# Altium PCB BLDC-2020_LOCAL_2544.PcbDoc (part 2 of 2) (continued)
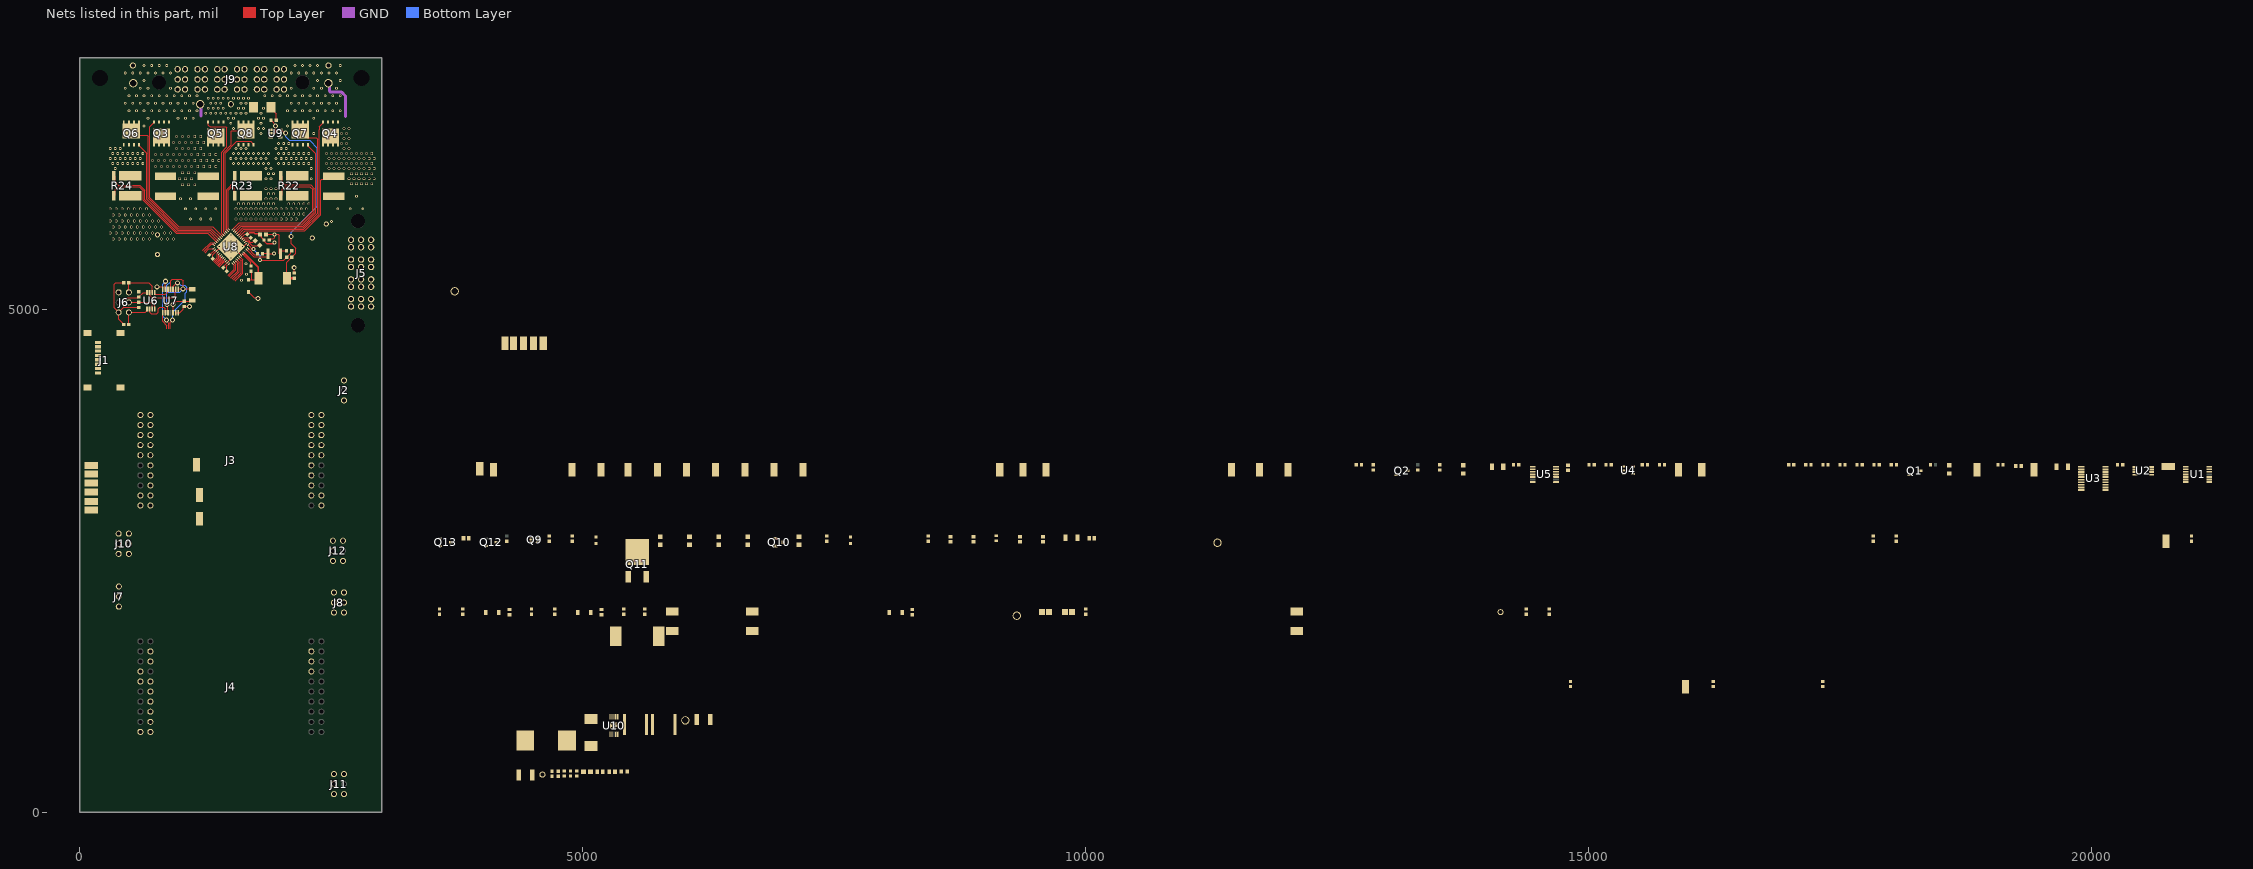
[diagram p4: the nets of this part, all layers, seen from the top]
## Part data (continued)
U8: "IC 3PHASE GATE DRIVER 48VQFN", Manufacturer="Texas Instruments", Max Operating Temperature=125°C, Min Operating Temperature=-40°C, ComponentLink1Description=http://www.ti.com/lit/ds/symlink/drv8323r.pdf?src-supplier=Digi-Key, ComponentLink1URL=http://www.ti.com/lit/ds/symlink/drv8323r.pdf?src-supplier=Digi-Key, Manufacturer 2="Texas Instruments", Manufacturer Part Number=DRV8323RSRGZR, Manufacturer Part Number 2=DRV8323RSRGZR, Pricing 1="1=4.44, 10=3.991, 100=3.2698, 500=2.78356, 1000=2.34758 (USD)", Pricing 2="1=4.44000, 10=3.99100, 100=3.26980, 500=2.78356, 1000=2.34758 (USD)", RoHS=No, Stock 1=5951, Stock 2=7391, Supplier 1=Digi-Key, Supplier 2=Digi-Key
U9: library part CMP-0192-00172-1, "Thermal Sensor with SPI Interface, 5-Pin SOT-23, -55°C to +125°C Temperature, Tape and Reel", Code_IPC=SOT23-5, DatasheetVersion="revA, Aug-2002", PackageDescription="5-Lead Plastic Small Outline Transistor (CT) [SOT-23]", PackageReference=SOT-23-CT5, PackageVersion="revBB, Aug-2009"
U10: library part CMP-0323-00512-3, "Buck Inverting Buck-Boost Step Down Regulator with 3.5 to 60 V Input and 0.8 to 58 V Output, -40 to 150 degC, 10-Pin MSOP-PowerPAD (DGQ), Green (RoHS & no Sb/Br)", Manufacturer="Texas Instruments", Rating=Catalog, Switch Current Limit(Typ)(A)=3.5, ClassName="5V Regulator", Code_JEDEC=MO-187-BA-T, ComponentLink1Description=Datasheet, ComponentLink1URL=http://www.ti.com/general/docs/lit/getliterature.tsp?genericPartNumber=TPS54260&fileType=pdf, ComponentLink2Description="Package Specification", ComponentLink2URL=http://www.ti.com/lit/ml/mpds043e/mpds043e.pdf, ComponentLink3Description="URL Link1", ComponentLink3URL="Samples URL:http://www.ti.com/product/tps54260#samples", DatasheetVersion=SLVSA86A, Duty Cycle(Max)(%)=98, Eco-Plan="Green (RoHS & no Sb/Br)", Iout(Max)(A)=2.5, Iq(Typ)(mA)=0.138, Mounting Technology="Surface Mount", PackageDescription="10-Pin PowerPAD Plastic Small Outline 0.5 mm Pitch, Exposed Pad", PackageReference=DGQ0010D, PackageVersion="revF, Nov-2011", PartNumber=TPS54260DGQR, Regulated Outputs(#)=1, SubFamily="Step-Down Regulator", Topology="Buck, Inverting Buck-Boost", Vin(Max)(V)=60, Vin(Min)(V)=3.5, Vout(Max)(V)=58, Vout(Min)(V)=0.8

## Free pads (board coordinates)
  round 150 hole 160: 5(200,7300) 5(2800,7300)

## Via types
v1: diameter 27.56, hole 11.81, Top Layer to Bottom Layer, 257 vias
v2: diameter 27.56, hole 19.68, Top Layer to Bottom Layer, 181 vias
v3: diameter 27.56/27.56/27.56/27.56 (per signal layer), hole 19.68, Top Layer to Bottom Layer, 59 vias
v4: diameter 50, hole 28, Top Layer to Bottom Layer, 15 vias
v5: diameter 40, hole 19.68, Top Layer to Bottom Layer, 5 vias
v6: diameter 19.68, hole 7.87, Top Layer to Bottom Layer, 5 vias

## Nets (pads, with @x,y where several pads share a name; then routed paths per layer and width w, separated by ;. In a path a pad name is that pad's centre, name@x,y a point inside that pad or via, vN(x,y) a via of type N, cw(c..) or ccw(c..) an arc to the next point about the centre after c; other vN are vias at no path point)
3.3V: C1.2 C3.2 C5.1 C6.2 C10.2 C12.2 C22.2 C26.2 C36.2 J1.4 J3.1 L2.2 L3.1 Q9.3 Q13.G R5.2 R6.2 R7.2 R19.2 R20.2 R21.2 R30.2 R35.1 R47.2 R48.2 TP46.1 U1.13 U1.14 U3.2 U4.5 U5.1 U7.13 U7.14 U9.5 | length 2173.4
  Top Layer w10: U7.13@951.18,4968.86 U7.14@976.77,4968.86 993.86,4968.86 1024.25,4999.25 1024.25,5018.66 C12.2@1035,5029.41 1035.59,5030 v4(1090,5030) ; U9.5@1992.24,6787.4 2001.1,6787.4 2025.85,6762.65 2037.35,6762.65 v4(2045,6755) ; L2.2@2056.73,5310 2056.73,5469.57 2106.18,5519.02 R30.2@2106.18,5520 2145,5558.82 2145,5607.09 2100,5652.09 v4(2100,5725)
  Top Layer w20: L2.2@2056.73,5310 C26.2@2130,5310
  Bottom Layer w10: v4(2045,6755) 2045,6715 2080,6680 2285,6680 2360,6605 2360,6025 2100,5765 v4(2100,5725)
5V: C2.2 C4.2 C9.2 C11.2 C27.2 C28.2 F1.2 F2.2 F3.2 F4.2 J6.1 J10.1 L1.2 R2.2 R10.2 R14.2 R15.2 R16.2 R27.2 R29.2 R36.2 R37.2 R39.2 R40.2 TP45.1 U2.8 U3.19 U5.14 U6.8 | length 1088.2
  Top Layer w10: R14.2@434.41,4850 434.41,4850.98 385,4900.39 J6.1@385,4970 ; R16.2@435,5265.59 R16.2@434.41,5265 355,5265 340,5250 340,5015 J6.1@385,4970 ; R15.2@585,5019.41 434.41,5019.41 ; U6.8@666.61,5166.69 628.27,5166.69 585.98,5124.41 C11.2@585,5124.41 574.25,5113.66 470.68,5113.66 434.41,5077.39 434.41,5019.41 ; J6.1@385,4970 434.41,5019.41
+3.3V: C21.2 U8.26 | length 81.3
  Top Layer w10: C21.2@1283.81,5541.19 1290.91,5541.19 U8.26@1343.41,5593.68
AGND: C3.1 C4.1 C5.2 C7.1 C9.1 C10.1 C15.1 C16.1 C17.1 C18.1 C19.1 C20.1 C21.1 C22.1 C25.1 C26.1 C27.1 C28.1 C29.1 C30.1 C31.1 C32.1 C33.1 C34.2 C35.2 C36.1 C37.1 C38.1 C39.1 C40.1 D2.2 D3.1 D4.2 D5.2 D6.2 J5.P1-1 J5.P1-2 J5.P1-3 J5.P1-4 J5.P1-5 J5.P1-6 J5.P2-1 J5.P2-2 J5.P2-3 J5.P2-4 J5.P2-5 J5.P2-6 J6.3 J7.3 J8.3 J10.3 J11.3 J12.3 LED6.1 LED7.1 Q1.S Q2.S Q9.1 Q10.3 Q11.3 Q12.S Q13.S R1.1 R4.1 R12.1 R18.1 R22.3 R23.3 R24.3 R25.2 R26.1 R31.1 R32.1 R34.1 R42.1 R46.2 R49.1 R51.1 R53.1 R55.1 TP42.1 TP43.1 TP44.1 TP47.1 TP48.1 TP50.1 U3.11 U4.2 U5.5 U5.7 U5.10 U8.2 U8.27 U8.35 U8.43 U8.49 U9.2 U10.9 U10.11 | length 2213.8
  Top Layer w10: C21.1@1320,5505 1320.7,5505.7 1320.7,5543.13 1381.72,5604.16 1458.32,5604.16 U8.49@1479.16,5625 ; C20.1@1423.81,5416.19 1423.81,5423.53 U8.35@1468.68,5468.41 1468.68,5468.52 1490,5489.84 1490,5594.16 U8.49@1500,5604.16 ; U8.43@1600.92,5538 1567.5,5571.42 1567.5,5585.38 1548.72,5604.16 U8.49@1500,5604.16 ; U8.2@1656.59,5656.32 1656.48,5656.32 1625.16,5625 v1(1615,5625) v1(1560,5625) 1520.84,5625 U8.49@1500,5604.16 ; D2.2@1675,5172.99 1675,5170.04 1684.76,5160.27 1687.72,5160.27 1730.34,5117.65 1762.35,5117.65 v4(1770,5110) ; C15.1@1849.53,5745 v5(1935,5745) ; C16.1@1881.18,5690 1881.18,5690.98 1891.93,5701.73 1921.73,5701.73 1935,5715 v5(1935,5745) ; U9.2@1897.76,6750 1935,6750 1945,6760 v4(1945,6825) 1945,6833.43 1899.41,6879.02 R25.2@1899.41,6880 ; C25.1@1982.01,5555 1982.01,5732.99 1970,5745 v5(1935,5745) ; C25.1@1992.01,5555 1992.01,5575.24 2001.77,5585 R34.1@2054.41,5585 ; C26.1@2130,5361.18 v4(2130,5415)
  GND w30: TP43.1@1195,7040 1205,7030 1205,6925 ; TP44.1@2470,7250 2480.08,7239.92 2480.08,7169.92 2490.22,7159.78 2601.91,7159.78 2640,7121.69 2640,6920
  other v1: 1605,5290 1655,5350 1650,5455 1500,5510 1440,5570 1500,5570 1565,5570 1385,5625 1440,5625 1500,5625 1445,5680 1500,5680 1555,5680 1500,5740 2500,5875 1100,5900 1200,5900 1300,5900 1050,6000 1150,6000 1250,6000 1350,6000 2562.5,6000 2687.5,6000 2812.5,6000 1000,6100 1100,6100 2750,6125
  other v2: 330,5700 390,5700 450,5700 510,5700 570,5700 630,5700 690,5700 810,5700 870,5700 930,5700 300,5760 360,5760 420,5760 480,5760 540,5760 600,5760 660,5760 720,5760 840,5760 900,5760 330,5820 390,5820 450,5820 510,5820 570,5820 630,5820 690,5820 750,5820 810,5820 300,5880 360,5880 420,5880 480,5880 540,5880 600,5880 660,5880 720,5880 780,5880 1550,5900 1600,5900 1650,5900 1700,5900 1750,5900 1800,5900 1850,5900 1900,5900 1950,5900 2000,5900 2050,5900 2100,5900 2150,5900 330,5940 390,5940 450,5940 510,5940 570,5940 630,5940 690,5940 1575,5950 1625,5950 1675,5950 1725,5950 1775,5950 1825,5950 1875,5950 1925,5950 1975,5950 2025,5950 2075,5950 2125,5950 2175,5950 2225,5950 300,6000 360,6000 420,6000 480,6000 540,6000 600,6000 660,6000 1550,6000 1600,6000 1650,6000 1700,6000 1750,6000 1800,6000 1850,6000 1900,6000 1950,6000 2000,6000 2050,6000 2100,6000 2150,6000 2200,6000 2250,6000 1575,6050 1625,6050 1675,6050 1725,6050 1775,6050 1825,6050 1875,6050 1925,6050 2075,6050 2125,6050 2175,6050 2225,6050 2275,6050 1850,6100 1900,6100 1950,6100 1875,6150 1925,6150 1850,6200 1900,6200 1950,6200
  other v6: 5284.57,844.11 5331.82,844.11 5308.2,861.83 5284.57,879.54 5331.82,879.54
CAL: J3.2 R26.2 R43.1 U8.34 | length 93.2
  Top Layer w6: 1385.46,5424.54 1436.24,5475.33 1447.76,5475.33 U8.34@1454.76,5482.33
Chan_A: J4.39 TP2.1 U1.6
Chan_A_Raw: J10.5 U2.3
Chan_B: J4.38 TP3.1 U1.8
Chan_B_Raw: J10.6 U2.6
CS_DRV: J3.8 R19.1 U8.32 | length 92.9
  Top Layer w6: 1368.49,5441.51 1419.92,5492.95 1419.92,5503.17 U8.32@1426.92,5510.16
CS_SD: J1.2 J3.11 R5.1 R44.2
CS_TEMP: J3.32 R20.1 U9.1
Enable: R18.2 R45.1 TP31.1 U8.33 | length 90.1
  Top Layer w6: 1376.97,5433.03 1440.19,5496.25 U8.33@1440.84,5496.25
EXT_SPI_CLK: J8.4 U5.13
EXT_SPI_MISO: J8.6 U5.11
EXT_SPI_MOSI: J8.5 U5.12
"Fan Enable": J3.31 Q11.1 R42.2
GHA: Q4.G TP32.1 U8.8 | length 1822.9
  Top Layer w10: U8.8@1573.08,5739.84 1573.19,5739.84 1629.35,5796 2226.51,5796 2378.34,5947.83 2378.34,6787.07 2378.34,6816 2405.84,6843.49 2415,6852.66 Q4.G@2415,6864.17
GHB: Q5.G TP33.1 U8.17 | length 1319.5
  Top Layer w10: Q5.G@1275,6864.17 1277.56,6861.62 1277.56,6832.44 1295,6815 1450,6815 1460,6805 1460,6615.25 1410,6565.25 1410,5756.87 1426.92,5739.95 U8.17@1426.92,5739.84
GHC: Q3.G TP34.1 U8.18 | length 1649.3
  Top Layer w10: Q3.G@735,6864.17 735,6855 694,6814 694,6109.88 983.88,5820 1318.92,5820 U8.18@1413,5725.92
GLA: Q7.G TP38.1 U8.10 | length 1589.1
  Top Layer w10: U8.10@1545.24,5767.67 1605.56,5828 2213.25,5828 2345.69,5960.43 2345.69,6548.25 2265,6628.94 Q7.G@2265,6635.83
GLB: Q8.G TP39.1 U8.15 | length 1139.2
  Top Layer w10: U8.15@1455,5767.91 U8.15@1454.76,5767.67 1454.76,5767.79 1443,5779.55 1443,6553 1560,6670 1697.72,6670 1725,6642.72 Q8.G@1725,6635.83
GLC: Q6.G TP40.1 U8.20 | length 1459.3
  Top Layer w10: Q6.G@585,6635.83 585,6630 662,6553 662,6096.63 970.63,5788 1295.24,5788 U8.20@1385.16,5698.08
GND: C1.1 C2.1 C6.1 C11.1 C12.1 J1.6 J1.Shield J3.20 J3.22 J4.20 R17.1 U1.7 U1.12 U2.4 U6.4 U7.7 U7.12 | length 445.3
  Top Layer w10: C11.1@584.41,5175 C11.1@585,5175.59 ; v4(740,5080) 741.69,5078.31 741.69,5005 U6.4@743.39,5003.31 ; v4(765,5225) 766.62,5223.38 819.37,5223.38 823.23,5219.52 U7.7@823.23,5201.14 ; U7.12@925.59,4968.86 925.29,4969.15 925.29,5049.7 v4(925,5050) 955.59,5080.59 C12.1@1035,5080.59 1106.69,5080.59 R17.1@1115,5088.9
"Hall A": J3.19 TP18.1 U7.3 | length 673.2
  Top Layer w10: 897,4810 897,4872 v4(920,4895) ; U7.3@925.59,5201.14 929.45,5205 929.45,5230.24 964.21,5265 v4(970,5265)
  Bottom Layer w10: v4(920,4895) 920,4970.41 1045,5095.41 1045,5160 1061,5176 1061,5219.91 1039.91,5241 1002.57,5241 978.57,5265 v4(970,5265)
"Hall B": J3.13 TP19.1 U7.6 | length 582.9
  Top Layer w10: U7.6@848.82,5201.14 848.82,5278.82 v4(850,5280) ; v4(860,4895) 860,4884.18 881,4863.18 881,4810
  Bottom Layer w10: v4(850,5280) 850,5273.43 825,5248.43 825,4930 v4(860,4895)
"Hall C": J3.12 TP29.1 U7.8 | length 176.2
  Top Layer w10: U7.8@823.23,4968.86 823.23,4880.86 865,4839.09 865,4810
Hall_A_Raw: J6.4 R14.1 U6.1 | length 325.4
  Top Layer w10: R14.1@485.59,4850 485,4850.59 J6.4@485,4970 650,4970 666.61,4986.61 U6.1@666.61,5003.31
Hall_B_Raw: J6.5 R15.1 U6.3 | length 289
  Top Layer w10: J6.5@485,5070 584.41,5070 R15.1@585,5070.59 585.59,5070 699.09,5070 717.8,5051.29 U6.3@717.8,5003.31
Hall_C_Raw: J6.6 R16.1 U6.6 | length 406.1
  Top Layer w10: J6.6@485,5170 485,5264.41 685.59,5264.41 717.8,5232.2 U6.6@717.8,5166.69
"Hi A": J3.40 TP9.1 U8.37 | length 146.6
  Top Layer w10: 1475,5340 1535,5400 1535,5436.89 U8.37@1517.4,5454.49
"Hi B": J3.38 TP11.1 U8.39 | length 204.1
  Top Layer w10: 1500,5315 1567,5382 1567,5460.56 U8.39@1545.24,5482.33
"Hi C": J3.36 TP13.1 U8.41 | length 256.1
  Top Layer w10: 1530,5295 1601,5366 1601,5482.24 U8.41@1573.08,5510.16
Index: J4.40 TP1.1 U1.3
Index_Raw: J10.4 U2.1
IO_1: J11.4 U3.20
IO_1_RAW: J3.26 U3.1
IO_2: J11.5 U3.18
IO_2_RAW: J3.27 U3.3
IO_3: J11.6 U3.17
IO_3_RAW: J3.28 U3.4
IO_4: J12.4 U3.16
IO_4_RAW: J3.29 U3.5
IO_5: J12.5 U3.15
IO_5_RAW: J3.30 U3.6
IO_6: J12.6 U3.14
IO_6_RAW: J4.37 U3.7
IO_7: J10.2 U3.13
IO_7_RAW: J4.36 U3.8
IO_8: J8.2 U3.12
IO_8_RAW: J4.35 U3.9
"Low A": J3.39 TP10.1 U8.38 | length 174.7
  Top Layer w10: 1486.31,5328.69 1551,5393.37 1551,5448.73 U8.38@1531.32,5468.41
"Low B": J3.37 TP12.1 U8.40 | length 230.9
  Top Layer w10: 1515,5305 1585,5375 1585,5470.4 U8.40@1559.16,5496.25
"Low C": J3.35 TP14.1 U8.42 | length 284.2
  Top Layer w10: 1541.31,5283.69 1617,5359.37 1617,5494.08 U8.42@1587,5524.08
NetC7_2: C7.2 R9.2 U4.3
NetC8_1: C8.1 R8.2 R9.1
NetC13_2: C13.2 U8.5 | length 79
  Top Layer w10: U8.5@1614.84,5698.08 1614.95,5698.08 1628.08,5711.21 1687.4,5711.21 C13.2@1688.09,5711.91
NetC14_1: C14.1 U8.3 | length 152.6
  Top Layer w6: U8.3@1642.67,5670.24 1648.94,5676.5 1668.62,5676.5 1711.06,5634.07 1773.15,5634.07 C14.1@1774.54,5635.46
NetC14_2: C14.2 U8.4 | length 116.4
  Top Layer w6: U8.4@1628.75,5684.16 1635.02,5690.42 1674.58,5690.42 1695,5670 1720,5670 C14.2@1730,5680
NetC20_2: C20.2 U8.36 | length 83.8
  Top Layer w10: C20.2@1460,5380 1460.7,5380.7 1460.7,5432.58 U8.36@1482.6,5454.49
NetC23_1: C23.1 D2.1 L2.1 U8.45 | length 512.3
  Top Layer w10: D2.1@1675,5297.01 1710,5297.01 ; C23.1@1700,5380 1710,5380 1710,5297.01 ; L2.1@1773.27,5310 1760.28,5297.01 1710,5297.01
  Top Layer w13: U8.45@1628.75,5565.84 1773.27,5421.33
  Top Layer w15: L2.1@1773.27,5310 1773.27,5421.33
NetC23_2: C23.2 U8.44 | length 156.6
  Top Layer w10: U8.44@1614.84,5551.92 1699.02,5467.74 1699.02,5431.18 C23.2@1700,5431.18
NetC24_1: C24.1 U10.1
NetC24_2: C24.2 D3.2 L1.1 U10.10
NetC31_2: C31.2 U10.4
NetC32_2: C32.2 R33.2
NetC33_2: C33.2 R33.1 U10.8
NetC37_2: C37.2 J7.1 L3.2
NetD1_2: D1.2 R25.1 | length 151.4
  Top Layer w10: D1.2@1899.02,7010 1899.02,6998.5 1950,6947.52 1950,6880.59 R25.1@1950.59,6880
NetF1_1: F1.1 J2.1
NetF2_1: F2.1 J8.1
NetF3_1: F3.1 J11.1
NetF4_1: F4.1 J12.1
NetJ1_1: J1.1 R7.1
NetJ1_8: J1.8 R6.1
NetJ2_3: J2.3 Q11.4
NetLED1_1: LED1.1 Q1.D
NetLED1_2: LED1.2 R2.1
NetLED2_1: LED2.1 Q2.D
NetLED2_2: LED2.2 R10.1
NetLED3_1: LED3.1 Q10.2
NetLED3_2: LED3.2 R35.2
NetLED4_1: LED4.1 Q9.6
NetLED4_2: LED4.2 R40.1
NetLED5_1: LED5.1 Q13.D
NetLED5_2: LED5.2 R36.1
NetLED6_2: LED6.2 R37.1
NetLED7_2: LED7.2 R38.1
NetLED8_1: LED8.1 Q12.D
NetLED8_2: LED8.2 R39.1
NetLED9_1: LED9.1 R46.1
NetLED9_2: LED9.2 Q9.4
NetQ6_S: Q6.S R24.1
  other v1: 350,6400 325,6450 375,6450 425,6450 475,6450 525,6450 575,6450 625,6450 300,6500 350,6500 400,6500 450,6500 500,6500 550,6500 600,6500 325,6550 375,6550 425,6550 475,6550 525,6550 575,6550 625,6550 300,6600 350,6600 400,6600
NetQ7_S: Q7.S R22.1
  other v1: 2300,6300 2300,6400 1975,6450 2025,6450 2075,6450 2125,6450 2175,6450 2225,6450 2275,6450 1950,6500 2000,6500 2050,6500 2100,6500 2150,6500 2200,6500 2250,6500 2300,6500 1975,6550 2025,6550 2075,6550 2125,6550 2175,6550 2225,6550 2275,6550 1950,6600 2000,6600 2050,6600 1975,6650 2025,6650 2075,6650
NetQ8_S: Q8.S R23.1
  other v1: 1850,6300 1900,6300 1875,6350 1925,6350 1850,6400 1900,6400 1525,6450 1575,6450 1625,6450 1675,6450 1725,6450 1775,6450 1825,6450 1875,6450 1500,6500 1550,6500 1600,6500 1650,6500 1700,6500 1750,6500 1800,6500 1850,6500 1525,6550 1575,6550 1625,6550 1675,6550 1725,6550 1775,6550 1825,6550 1875,6550 1550,6600 1600,6600 1650,6600
NetQ9_2: Q9.2 R43.2
NetQ9_5: Q9.5 R41.2
NetQ10_1: Q10.1 R44.1
NetR1_2: R1.2 U1.1 U1.4 U1.10
NetR3_1: R3.1 R4.2 U3.10
NetR12_2: R12.2 R13.1 U5.8
NetR17_2: R17.2 U7.1 U7.4 U7.10 | length 942.6
  Top Layer w10: v4(865,5050) 870.55,5044.45 870.55,4972.72 U7.10@874.41,4968.86 ; U7.4@900,5201.14 900,5285 916,5301 1009,5301 1025,5285 v4(1025,5205) ; U7.1@976.77,5201.14 980.63,5205 v4(1025,5205) ; R17.2@1115,5201.1 1111.1,5205 v4(1025,5205)
  Bottom Layer w10: v4(865,5050) 865,5170 ; 900,5275 865,5240 865,5170 ; v4(1025,5205) 990,5170 865,5170
NetR27_1: R27.1 R32.2 U10.7
NetR28_2: R28.2 U8.48 | length 124.8
  Top Layer w10: U8.48@1670.51,5607.6 1733.11,5545 1754.41,5545 R28.2@1764.41,5555 R28.2@1765,5555.59
NetR29_1: R29.1 U10.6
NetR30_1: R30.1 R34.2 U8.1 | length 583.7
  Top Layer w10: U8.1@1670.51,5642.4 1676.5,5648.39 1676.5,5638.5 1715,5600 v5(1725,5600) ; v5(1790,5490) 2025.98,5490 2055,5519.02 R30.1@2055,5520 2055,5520.98 2094.84,5560.83 2094.84,5574.25 R34.2@2105.59,5585
  Bottom Layer w10: v5(1725,5600) 1790,5535 v5(1790,5490)
NetR31_2: R31.2 U10.5
NetU1_2: U1.2 U2.7
NetU1_5: U1.5 U2.5
NetU1_9: U1.9 U2.2
NetU6_2: U6.2 U7.9 | length 286
  Top Layer w10: U6.2@692.2,5003.31 692.2,4972.8 710,4955 765,4955 780,4970 780,5005 795,5020 835,5020 850,5005 850,4970.04 U7.9@848.82,4968.86
NetU6_5: U6.5 U7.5 | length 181.4
  Top Layer w10: U6.5@743.39,5166.69 743.39,5153.86 747.24,5150 848.51,5150 870.55,5172.04 870.55,5197.28 U7.5@874.41,5201.14
NetU6_7: U6.7 U7.2 | length 363.4
  Top Layer w10: U6.7@692.2,5166.69 696.06,5162.83 696.06,5140.55 720.61,5116 926,5116 947.32,5137.32 947.32,5197.28 U7.2@951.18,5201.14
nFault: J3.33 J4.33 R21.1 R41.1 TP30.1 TP41.1 U8.28 | length 106.6
  Top Layer w6: 1327.5,5477.5 1364.98,5514.98 1364.98,5559.58 U8.28@1371.25,5565.84
  Top Layer w10: U8.28@1371.25,5565.73 U8.28@1371.25,5565.84
PHASE_A: J9.1 J9.2 J9.3 J9.4 J9.5 J9.6 J9.7 J9.8 J9.9 J9.10 J9.11 J9.12 Q4.S Q7.D R50.2 TP35.1 U8.9 | length 1830.7
  Top Layer w10: U8.9@1559.16,5753.75 1617.4,5812 2219.88,5812 2361.69,5953.8 2361.69,6693.31 2348.23,6706.77 2258.82,6706.77 Q7.D@2190,6775.59
  other v1: 2325,6750 2062.5,6825 2325,6900 2062.5,6975 2137.5,6975 2212.5,6975 2287.5,6975 2362.5,6975 2437.5,6975 2512.5,6975 2587.5,6975 2100,7050 2175,7050 2250,7050 2325,7050 2400,7050 2475,7050 2550,7050 1837.5,7125 1912.5,7125 1987.5,7125 2062.5,7125 2137.5,7125 2212.5,7125 2287.5,7125 2362.5,7125 2437.5,7125 2512.5,7125 2587.5,7125 2100,7200 2325,7200 2400,7200 2550,7200 2362.5,7275 2587.5,7275 2100,7350 2175,7350 2250,7350 2325,7350 2400,7350 2475,7350 2550,7350 2137.5,7425 2212.5,7425 2287.5,7425 2362.5,7425 2587.5,7425
PHASE_B: D1.1 J9.13 J9.14 J9.15 J9.16 J9.17 J9.18 J9.19 J9.20 J9.21 J9.22 J9.23 J9.24 Q5.S Q8.D R52.2 TP36.1 U8.16 | length 1201.1
  Top Layer w10: U8.16@1440.84,5753.75 1440.84,5753.87 1427,5767.71 1427,6559.63 1505,6637.63 1505,6769.14 1510.86,6775 1649.41,6775 Q8.D@1650,6775.59
  other v1: 1800,6750 1525,6800 1775,6800 1825,6800 1500,6850 1800,6850 1475,6900 1525,6900 1775,6900 1825,6900 1250,6950 1300,6950 1350,6950 1400,6950 1450,6950 1500,6950 1550,6950 1600,6950 1650,6950 1800,6950 1275,7000 1325,7000 1375,7000 1425,7000 1575,7000 1625,7000 1825,7000 1300,7050 1350,7050 1400,7050 1600,7050 1650,7050 1275,7100 1325,7100 1375,7100 1425,7100 1475,7100 1525,7100 1575,7100 1625,7100 1675,7100
PHASE_C: J9.25 J9.26 J9.27 J9.28 J9.29 J9.30 J9.31 J9.32 J9.33 J9.34 J9.35 J9.36 Q3.S Q6.D R54.2 TP37.1 U8.19 | length 1692.7
  Top Layer w10: Q6.D@510,6775.59 555.59,6730 671,6730 678,6723 678,6103.25 977.25,5804 1307.08,5804 U8.19@1399.08,5712
  other v1: 637.5,6825 675,6900 975,6900 1050,6900 1125,6900 487.5,6975 562.5,6975 637.5,6975 712.5,6975 787.5,6975 862.5,6975 937.5,6975 1012.5,6975 1087.5,6975 1162.5,6975 450,7050 525,7050 600,7050 675,7050 750,7050 825,7050 900,7050 975,7050 1050,7050 1125,7050 487.5,7125 562.5,7125 637.5,7125 712.5,7125 787.5,7125 862.5,7125 937.5,7125 1012.5,7125 1087.5,7125 1162.5,7125 450,7200 600,7200 675,7200 900,7200 637.5,7275 450,7350 525,7350 600,7350 675,7350 750,7350 825,7350 900,7350 637.5,7425 712.5,7425 787.5,7425 862.5,7425
SA_N: R22.4 U8.12 | length 1520.2
  Top Layer w10: U8.12@1517.4,5795.51 1581.89,5860 2200,5860 2313.69,5973.69 2313.69,6195 2286.69,6222 2035,6222 2009.72,6196.72 2009.72,6140.94 R22.4@1997.2,6128.43 R22.4@1997.2,6158.15
SA_P: R22.2 U8.11 | length 1558.5
  Top Layer w10: U8.11@1531.32,5781.59 1593.72,5844 2206.63,5844 2329.69,5967.06 2329.69,6201.63 2293.31,6238 2035,6238 2009.72,6263.28 2009.72,6319.06 R22.2@1997.2,6331.57 R22.2@1997.2,6301.85
SB_N: R23.4 U8.13 | length 547.6
  Top Layer w10: U8.13@1482.6,5795.51 1475,5803.11 1475,6185 1506.14,6216.14 1523.86,6216.14 1535,6205 1535,6130.63 R23.4@1537.2,6128.43
SB_P: R23.2 U8.14 | length 586.4
  Top Layer w10: U8.14@1468.68,5781.59 1459,5791.28 1459,6191.63 1535,6267.63 1535,6329.37 R23.2@1537.2,6331.57
SC_N: R24.4 U8.22 | length 1372.1
  Top Layer w10: R24.4@337.2,6128.43 349.72,6140.94 349.72,6191.72 378,6220 590,6220 630,6180 630,6083.37 957.37,5756 1271.56,5756 U8.22@1357.33,5670.24
SC_P: R24.2 U8.21 | length 1388.6
  Top Layer w10: R24.2@337.2,6331.57 349.72,6319.06 349.72,6268.28 382,6236 596.63,6236 646,6186.63 646,6090 964,5772 1283.4,5772 U8.21@1371.25,5684.16
SOA: J3.23 TP8.1 U8.25 | length 102.1
  Top Layer w10: 1245,5565 1281.45,5601.45 1323.33,5601.45 U8.25@1329.49,5607.6
SOB: J3.24 TP7.1 U8.24 | length 128.3
  Top Layer w10: 1233.69,5576.31 1305.96,5648.58 1323.3,5648.58 U8.24@1329.49,5642.4
SOC: J3.25 TP6.1 U8.23 | length 156.3
  Top Layer w10: 1222.37,5587.63 1299.33,5664.58 1335.14,5664.58 U8.23@1343.41,5656.32
SPI_1_CLK: J1.5 J3.34 J4.32 TP20.1 TP26.1
SPI_1_MISO: J1.7 J3.9 J4.14 R47.1 TP21.1 TP28.1
SPI_1_MOSI: J1.3 J3.10 J4.15 TP22.1 TP27.1
SPI_CLK: J3.7 TP15.1 U5.2 U8.31 U9.3 | length 96
  Top Layer w6: 1360,5450 1406.74,5496.74 1406.74,5517.82 U8.31@1413,5524.08
SPI_MISO: J3.14 R48.1 TP17.1 U5.4 U8.29 U9.4 | length 100.7
  Top Layer w6: 1340,5470 1378.9,5508.9 1378.9,5545.66 U8.29@1385.16,5551.92
  Top Layer w10: U8.29@1385.16,5551.81 U8.29@1385.16,5551.92
SPI_MOSI: J3.15 TP16.1 U5.3 U8.30 | length 98.3
  Top Layer w6: 1350,5460 1392.82,5502.82 1392.82,5531.74 U8.30@1399.08,5538
Throttle: C8.2 J3.6 R11.2 TP5.1 U4.1 U4.4
"Throttle Raw": J7.2 R8.1 R11.1 TP4.1
VBATT: C13.1 C15.2 C16.2 C17.2 C18.2 C19.2 C25.2 C29.2 C30.2 C34.1 C35.1 J5.P3-1 J5.P3-2 J5.P3-3 J5.P3-4 J5.P3-5 J5.P3-6 J5.P4-1 J5.P4-2 J5.P4-3 J5.P4-4 J5.P4-5 J5.P4-6 Q3.D Q4.D Q5.D R28.1 R38.2 R49.2 TP49.1 U8.6 U8.7 U8.47 U10.2 | length 2145.9
  Top Layer w6: C16.2@1830,5680 C16.2@1830,5690
  Top Layer w10: U8.7@1587,5725.92 1641.08,5780 2233.14,5780 2395,5941.86 2395,6285 2403.98,6293.98 2494.57,6293.98 C17.2@2525,6324.41 ; U8.6@1600.92,5712 1636.32,5747.4 1661.21,5747.4 C13.1@1661.91,5748.09 ; U8.47@1656.59,5593.68 1656.7,5593.68 1725.39,5525 1852.99,5525 ; R28.1@1815,5565 1820,5560 C25.2@1867.99,5560 ; C25.2@1867.99,5555 v5(1930,5555)
  Top Layer w15: C13.1@1670.03,5748.09 1681.94,5760 1732.24,5760 1739.8,5752.44 C15.2@1783.03,5752.44 ; C15.2@1801.14,5735.31 1801.14,5719.84 C16.2@1830,5690.98 ; C16.2@1830,5680 1855,5655 1925,5655 v5(1935,5665)
  Top Layer w20: C13.1@1661.91,5748.09 C13.1@1670.03,5748.09 ; C15.2@1783.03,5752.44 C15.2@1790.47,5745 1791.46,5745 C15.2@1801.14,5735.31 ; C16.2@1830,5690 C16.2@1830,5690.98
  other v2: 2700,6250 2750,6250 2800,6250 2850,6250 2900,6250 2675,6300 2725,6300 2775,6300 2825,6300 2875,6300 2925,6300 2700,6350 2750,6350 2800,6350 2850,6350 2900,6350 2475,6400 2525,6400 2575,6400 2625,6400 2675,6400 2725,6400 2775,6400 2825,6400 2875,6400 2925,6400 2450,6450 2500,6450 2550,6450 2600,6450 2650,6450 2700,6450 2750,6450 2800,6450 2850,6450 2900,6450 2475,6500 2525,6500 2575,6500 2625,6500 2675,6500 2725,6500 2775,6500 2825,6500 2875,6500 2925,6500 2450,6550 2500,6550 2550,6550 2600,6550 2650,6550 2700,6550 2750,6550 2800,6550 2850,6550 2900,6550 2625,6600 2675,6600 2600,6650 2650,6650 2625,6700 2675,6700 2600,6750 2650,6750 2625,6800 2675,6800
  other v3: 1020,6240 1080,6240 1140,6240 990,6300 1050,6300 1110,6300 1020,6360 1080,6360 1140,6360 750,6420 810,6420 870,6420 930,6420 990,6420 1050,6420 1110,6420 1170,6420 1230,6420 1290,6420 1350,6420 720,6480 780,6480 840,6480 900,6480 960,6480 1020,6480 1080,6480 1140,6480 1200,6480 1260,6480 1320,6480 1380,6480 750,6540 810,6540 870,6540 930,6540 990,6540 1050,6540 1110,6540 1170,6540 1230,6540 1290,6540 1350,6540 960,6600 1020,6600 1080,6600 1140,6600 1200,6600 930,6660 990,6660 1050,6660 1110,6660 1170,6660 1230,6660 960,6720 1020,6720 1080,6720 1140,6720 1200,6720
Voltage_A: C38.2 D4.1 J4.27 R50.1 R51.2 TP25.1
Voltage_B: C39.2 D5.1 J4.28 R52.1 R53.2 TP24.1
Voltage_C: C40.2 D6.1 J4.29 R54.1 R55.2 TP23.1
pads on no net: J2.2 J3.3 J3.4 J3.5 J3.16 J3.17 J3.18 J3.21 J4.1 J4.2 J4.3 J4.4 J4.5 J4.6 J4.7 J4.8 J4.9 J4.10 J4.11 J4.12 J4.13 J4.16 J4.17 J4.18 J4.19 J4.21 J4.22 J4.23 J4.24 J4.25 J4.26 J4.30 J4.31 J4.34 J5.None J6.2 J9.None J11.2 J12.2 Q1.G Q2.G Q12.G R3.2 R13.2 R45.2 U1.11 U5.6 U5.9 U7.11 U8.46 U10.3

## Polygon pours and split planes (outlines as drawn)
AGND on Top Layer "Top Layer-AGND" (solid, pour order 20): 1375,6205 1395,6185 1395,5865 1360,5830 995,5830 705,6120 705,6190 720,6205
AGND on Top Layer "PhaseABGround" (solid, pour order 10): 1565,6075 1565,6210 1585,6230 1950,6230 1965,6215 1965,6075 1980,6060 2025,6060 2035,6070 2035,6190 2050,6205 2275,6205 2295,6185 2295,5980 2185,5870 1515,5870 1490,5895 1490,6055 1505,6070 1560,6070
AGND on Top Layer "PhaseCGround" (solid, pour order 62): 980,5650 305,5650 285,5670 285,6050 304.99,6069.99 355,6070 365,6081.62 365,6190 385,6210 585,6210 620,6175 620,6075 985,5710 985,5655
AGND on Top Layer "Top Layer-AGND 1" (solid, pour order 92): 1567.5,5557.5 1625,5500 1625,5355 1545,5275 1595,5225 1625,5225 1635,5235 1635,5305 1655,5325 1690,5325 1695,5330 1695,5350 1690,5355 1680,5355 1675,5360 1675,5480 1582.5,5572.5
no net on Top Layer "Top Layer-No Net" (solid, pour order 90): 1610,5515
AGND on Top Layer "Top Layer-AGND 2" (solid, pour order 86): 2480,5785 2420,5785 2390,5815 2390,6180 2405,6195 2890,6195 2910,6175 2910,5985 2890,5965 2660,5965
VBATT on Top Layer "Top Layer-VBATT" (solid, pour order 24): 2715,6835 2725,6825 2725,6610 2750,6585 2950,6585 2970,6565 2970,6255 2935,6220 2425,6220 2390,6255 2390,6815 2410,6835
VBATT on Top Layer "Top Layer-VBATT 1" (solid, pour order 18): 705,6230 720,6215 1385,6215 1400,6230 1400,6580 1450,6630 1450,6795 1440,6805 725,6805 705,6785
PHASE_A on Top Layer "Top Layer-PHASE_A" (solid, pour order 56): 2100,6685 2365,6685 2390,6710 2390,6815 2420,6845 2585,6845 2605,6865 2605,7445 2560,7490 1730,7490 1715,7475 1715,7129.42 1729.42,7115 1760,7115 1800,7075 1950,7075 2025,7000 2025,6760
PHASE_B on Top Layer "Top Layer-PHASE_B" (solid, pour order 54): 1215,6815 1455,6815 1575,6695 1810,6695 1840,6725 1840,7025 1760,7105 1730,7105 1705,7130 1705,7480 1690,7495 1300,7495 1290,7485 1290,7165 1245,7120 1215,7120 1190,7095 1190,6840
PHASE_C on Top Layer "Top Layer-PHASE_C" (solid, pour order 52): 651.3,6690 691.3,6730 691.3,6800 711.3,6820 1161.3,6820 1181.3,6840 1181.3,7080 1216.3,7115 1231.3,7115 1285,7168.7 1285,7478.42 1273.42,7490 441.3,7490 396.3,7445 396.3,6725 431.3,6690
NetQ6_S on Top Layer "Top Layer-NetQ6_S" (solid, pour order 22): 565,6614.17 565,6660 555,6670 498,6670 290,6670 265,6645 265,6445 365,6345 365,6270 390,6245 640,6245 650,6255 650,6550 590,6610 570,6610
NetQ7_S on Top Layer "Top Layer-NetQ7_S" (solid, pour order 16): 2025,6385 2025,6270 2045,6250 2325,6250 2335,6260 2335,6545 2270,6610 2245,6610 2240,6615 2240,6665 2230,6675 1950,6675 1915,6640 1915,6420 1935,6400 2010,6400
NetQ8_S on Top Layer "Top Layer-NetQ8_S" (solid, pour order 12): 1950,6245 1960,6255 1960,6380 1945,6395 1925,6395 1905,6415 1905,6585 1885,6605 1700,6605 1695,6610 1695,6655 1690,6660 1565,6660 1455,6550 1455,6405 1470,6390 1560,6390 1565,6385 1565,6270 1590,6245
PHASE_A on Bottom Layer "Top Layer-PHASE_A" (solid, pour order 4): 2100,6685 2365,6685 2390,6710 2390,6815 2420,6845 2585,6845 2605,6865 2605,7445 2560,7490 1730,7490 1715,7475 1715,7129.42 1729.42,7115 1760,7115 1800,7075 1995,7075 2025,7045 2025,6760
PHASE_B on Bottom Layer "Top Layer-PHASE_B" (solid, pour order 8): 1215,6815 1450,6815 1575,6690 1810,6690 1840,6720 1840,7020 1760,7100 1730,7100 1705,7125 1705,7475 1690,7490 1300,7490 1290,7480 1290,7160 1245,7115 1215,7115 1190,7090 1190,6840
PHASE_C on Bottom Layer "Top Layer-PHASE_C" (solid, pour order 0): 651.3,6690 691.3,6730 691.3,6800 711.3,6820 1161.3,6820 1181.3,6840 1181.3,7080 1216.3,7115 1231.3,7115 1285,7168.7 1285,7478.42 1273.42,7490 441.3,7490 396.3,7445 396.3,6725 431.3,6690
NetQ7_S on Bottom Layer "Top Layer-NetQ7_S" (solid, pour order 50): 2025,6385 2025,6270 2045,6250 2325,6250 2335,6260 2335,6545 2270,6610 2245,6610 2240,6615 2240,6665 2230,6675 1950,6675 1915,6640 1915,6420 1935,6400 2010,6400
NetQ8_S on Bottom Layer "Top Layer-NetQ8_S" (solid, pour order 48): 1950,6245 1960,6255 1960,6380 1945,6395 1925,6395 1905,6415 1905,6585 1885,6605 1700,6605 1695,6610 1680,6625 1530,6625 1455,6550 1455,6405 1470,6390 1560,6390 1565,6385 1565,6270 1590,6245
NetQ6_S on Bottom Layer "Top Layer-NetQ6_S" (solid, pour order 46): 565,6614.17 565,6660 555,6670 498,6670 290,6670 265,6645 265,6445 365,6345 365,6270 390,6245 640,6245 650,6255 650,6550 590,6610 570,6610
AGND on GND "GND-AGND" (solid, remove dead copper, pour order 82): 2940,0 3005,65 3005,4465 2315,4465 2180,4600 2180,5410 1965,5625 1700,5625 1700,5640 1970,5640 2195,5415 2195,4605 2320,4480 2970,4480 2970,5595 2970,6821.11 2315.36,7500 710,7500 30,6820 30,5680 60.18,5649.82 1285,5645 1345,5645 1350,5640 1350,5625 1345,5620 1320,5620 60,5620 30,5580 30,40 70,0
no net on GND "GND-No Net" (solid, pour order 78): 1785,5605
AGND on GND "GND-AGND 1" (solid, pour order 64): 1270,5625
VBATT on Power "Power-VBATT" (solid, pour order 76): 2935,6945 2970,6910 2970,5405 2907.5,5342.5 2685,5340 2645,5300 2645,5170 2580,5105 2535,5105 175,5105 25,5255 25,6830 65,6870 1430,6870 1520,6780 1520,5890 1540,5870 2185,5870 2320,6005 2320,6865 2400,6945

## Keep-outs
Top Layer:
  region: 150,7350
Keep-Out Layer:
  circle w10: c2800,7300 r187.5
  circle w10: c200,7300 r187.5

## Other copper
Power:
  pour cut-out: 940,5670 960,5690 960,5750 690,6020 295,6020 280,6005 280,5695 305,5670

## Silkscreen, mask and mechanical layers (free items; w line width, h text height)
Mechanical 1:
  the board outline again, w0

## Text inside footprints (layer, text, board x,y; h text height)
J2: Mechanical 1 "J1" at 2837,4212.57 h30 r270
J3: Mechanical 1 "J1" at 2344.21,3507.57 h30 r270; Mechanical 1 "J1" at 644.21,3507.57 h30 r270
J4: Mechanical 1 "J1" at 2344.21,1257.57 h30 r270; Mechanical 1 "J1" at 644.21,1257.57 h30 r270
J5: Top Overlay "1" at 2632.12,5016.53 h73.82 r90
J6: Mechanical 1 "J1" at 173,5052.43 h30 r90
J7: Mechanical 1 "J1" at 173.5,2127.43 h30 r90
J8: Mechanical 1 "J1" at 2837,2102.57 h30 r270
J9: Top Overlay "1" at 2040.33,7125.47 h73.82 r180
J10: Mechanical 1 "J1" at 173,2652.43 h30 r90
J11: Mechanical 1 "J1" at 2837,297.62 h30 r270
J12: Mechanical 1 "J1" at 2827,2617.57 h30 r270